# Allegro board MYD-Y6ULX_TEST_V10A.brd (continued)
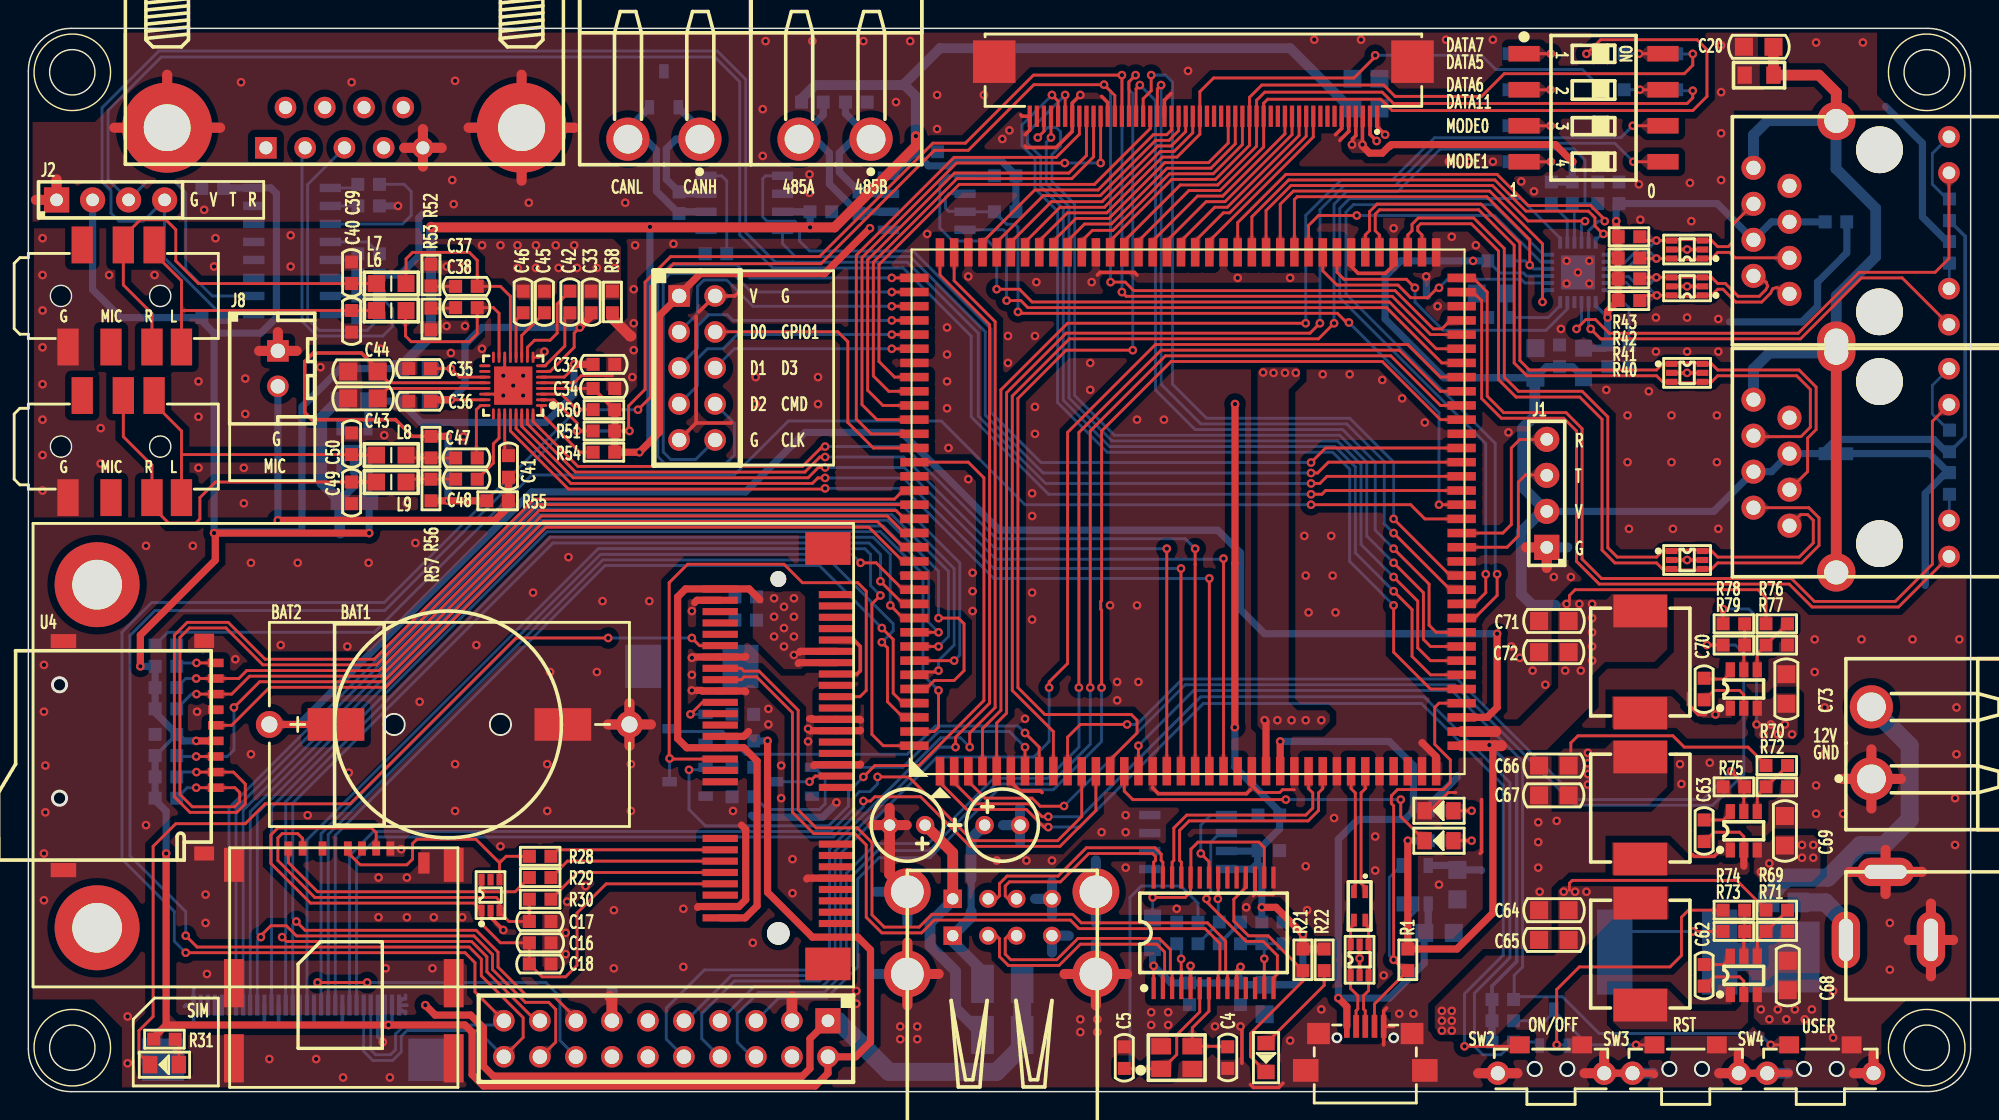
[diagram p0: board, top side]
## Footprints (pads in the part's own frame, mm; a bottom-side part is the same pattern mirrored in y, then rotated) (continued)
  rect 1.524x1.524 hole 1.016: 1(-1.25,0)
  round 1.524 hole 1.016: 2(1.25,0)

## Nets
AVDD1V8: C33.2 C36.2 L5.1 U15.7 U15.23
GND: BAT1.2 BAT2.2 C1.2 C2.2 C3.1 C4.1 C5.1 C6.1 C7.2 C8.2 C9.1 C10.2 C11.1 C12.1 C13.2 C14.1 C15.1 C16.2 C17.1 C18.1 C19.2 C20.1 C21.2 C22.1 C23.1 C24.1 C25.1 C26.1 C27.1 C28.1 C32.1 C34.1 C51.1 C52.1 C53.1 C54.1 C56.1 C58.1 C59.1 C60.1 C61.2 C64.1 C65.2 C66.1 C67.2 C68.1 C69.1 C71.1 C72.2 C73.1 CON1.5 CON1.8 CON1.9 CON1.10 CON1.11 CON1.12 CON1.13 CON1.14 D1.2(CATHODE) DC1.2 DC1.3 J1.1 J2.1 J10.5 J10.6 J10.31 J10.39 J10.44 J10.50 J10.51 J10.52 J11.4 J11.9 J11.13 J11.15 J11.18 J11.20 J11.30 J11.31 J11.32 J12.5 J12.10 J12.11 J13.2 J13.9 J14.3 J14.13 J15.1 Q1.2(S) Q2.2(S) Q3.2(S) R4.2 R6.2 R8.2 R9.2 R20.1 R25.1 R26.2 R33.2 R34.2 R35.2 R36.1 R39.1 R44.2 R47.1 R58.1 R62.1 R68.1 R71.2 R72.2 R75.1 R77.2 SW2.1 SW2.2 SW2.4 SW3.1 SW3.2 SW3.4 SW4.1 SW4.2 SW4.4 U1.6 U1.16 U1.23 U1.26 U1.29 U1.32 U1.35 U1.36 U1.50 U1.59 U1.68 U1.71 U1.74 U1.77 U1.86 U1.95 U1.104 U1.113 U1.121 U1.128 U2.2 U3.2 U3.5(NC) U4.6 U4.10 U4.11 U4.12 U4.13 U5.2 U5.4 U6.15 U6.17 U7.1 U7.2 U7.3 U7.4 U8.4 U8.9 U8.15 U8.18 U8.21 U8.26 U8.27 U8.29 U8.34 U8.35 U8.37 U8.40 U8.43 U8.50 U9.2(GND) U10.2 U10.5(NC) U11.2 U11.5(NC) U12.25 U13.2 U13.5(NC) U14.2 U14.5(NC) U15.5 U16.2 U17.15 U18.5 U19.2 U20.3 U21.1 U22.1 U23.1 USB1.5 USB1.6 USB1.7 USB1.8 USB1.9 USB2.4 USB2.8 USB2.9 USB2.10 USB2.11 USB2.12
GND_EARTH: C20.2 J5.8 J5.13 J5.14 J6.8 J6.13 J6.14 R39.2
VDD_3.8V_4G: C13.1 C14.2 C15.2 C66.2 C67.1 L11.2 R70.1 U8.2 U8.24 U8.39 U8.41 U8.52
VDD_3V3: C3.2 C6.2 C10.1 C11.2 C12.2 C19.1 C25.2 C26.2 C34.2 C51.2 C54.2 C59.2 C60.2 C61.1 C71.2 C72.1 J1.2 J2.2 J5.4 J5.5 J10.3 J10.4 J11.2 J11.3 J13.1 J14.2 L2.1 L3.1 L4.2(B) L12.2 R1.1 R11.1 R12.2 R13.2 R14.2 R15.2 R16.2 R17.2 R18.2 R19.2 R21.2 R22.2 R24.1 R27.2 R31.1 R32.1 R38.1 R45.2 R46.2 R48.1 R49.1 R50.2 R51.2 R54.1 R61.1 R63.1 R65.2 R66.2 R76.1 R80.2 U1.37 U1.38 U4.4(VCC) U6.1 U6.5 U6.10 U7.7(WP) U7.8 U12.9 U15.4 U16.1 U16.3 U17.16(VCC) U18.8(VCC) U19.3
VDD_3V3_PHY2: C21.1 C27.2 C28.2 J6.4 J6.5 L3.2(B) R40.2 R41.2 R42.2 R43.2 U12.1 U12.19
VDD_5V: C1.1 C53.2 C64.2 C65.1 C73.2 F1.1 F2.1 J10.1 J10.2 J11.1 J14.1 L10.2 R10.1 R23.1 R69.1 R78.1 U1.24 U2.5 U23.3(VIN)
VDD_12V: C68.2 C69.2 F3.2 R73.1 U21.3(VIN) U22.3(VIN)
VDD_12V_ADAPTER: D6.1 DC1.1
VDD_12V_IN: D6.2 J15.2
VDD_BAT: BAT1.1 BAT2.1 U1.39
4G_RST: Q1.1 R33.1 U1.120
4G_RSTIN: Q1.3 U8.22 U8.33
4G_USB_DM: U6.8 U8.36
4G_USB_DP: U6.9 U8.38
4G_WAKE_IN: Q2.1 R34.1 U1.7
4G_WAKE_OUT: Q3.3 R32.2 U1.8
232_RX: J12.3 R59.1
232_TX: J12.2 R60.1
AUD_1V8: C32.2 C52.2 L5.2(B) U15.6 U16.5(VOUT)
AUDIO_GND: C33.1 C35.1 C36.1 C39.1 C40.1 C43.1 C44.1 C45.1 C46.1 C49.1 C50.1 J7.1 J8.1 J9.1 R52.1 R53.1 R58.2 U15.9 U15.14 U15.22 U15.33
BOOT_MODE0: SW1.6 U1.4
BOOT_MODE1: SW1.5 U1.5
CAN1_RX: U1.57 U19.4
CAN1_TX: U1.58 U19.1
CAN_H: J17.1 R67.2 U19.7 U20.1
CAN_L: J17.2 R67.1 U19.6 U20.2
CSI_DATA0: J11.22 U1.136
CSI_DATA1: J11.24 U1.135
CSI_DATA2: J11.25 U1.134
CSI_DATA3: J11.23 U1.133
CSI_DATA4: J11.21 J14.18 U1.132
CSI_DATA5: J11.17 J14.17 U1.131
CSI_DATA6: J11.16 J14.15 U1.130
CSI_DATA7: J11.12 J14.16 U1.129
CSI_HSYNC: J11.11 U1.138
CSI_MCLK: J11.14 U1.140
CSI_PIXCLK: J11.19 U1.139
CSI_VSYNC: J11.10 U1.137
DN: L1.3 U3.1 U3.6 USB1.2
DP: L1.4 U3.3 U3.4 USB1.3
ENET2_CRS_DV: U1.80 U12.11
ENET2_RXD0: U1.79 U12.8
ENET2_RXD1: U1.82 U12.7
ENET2_RXER: R49.2 U1.81 U12.10
ENET2_TX_CLK: U1.78 U12.5
ENET2_TXD0: U1.85 U12.17
ENET2_TXD1: U1.84 U12.18
ENET2_TXEN: U1.83 U12.16
ENET_MDC: U1.47 U12.13
ENET_MDIO: U1.46 U12.12
ENET_RST: C24.2 R46.1 U1.9 U12.15
ETH1_LED1: J5.9 U1.69
ETH1_LED2: J5.11 U1.70
ETH1_RXN: J5.6 U1.75 U11.3 U11.4
ETH1_RXP: J5.3 U1.76 U11.1 U11.6
ETH1_TXN: J5.2 U1.72 U10.3 U10.4
ETH1_TXP: J5.1(TXP1) U1.73 U10.1 U10.6
ETH2_LED1: J6.11 U12.3
ETH2_LED2: J6.9 U12.2
ETH2_RXN: J6.6 R43.1 U12.20 U14.3 U14.4
ETH2_RXP: J6.3 R42.1 U12.21 U14.1 U14.6
ETH2_TXN: J6.2 R41.1 U12.22 U13.3 U13.4
ETH2_TXP: J6.1(TXP1) R40.1 U12.23 U13.1 U13.6
HOST1_USB_DM: U6.27 USB2.6
HOST1_USB_DP: U6.28 USB2.7
HOST2_USB_DM: U6.2 USB2.2
HOST2_USB_DP: U6.3 USB2.3
I2C2_SCL: J10.37 J11.6 J14.20 R51.1 U1.66 U15.2
I2C2_SDA: J10.38 J11.5 J14.19 R50.1 U1.67 U15.3
LCD_DATA0: J10.10 U1.87
LCD_DATA1: J10.11 U1.88
LCD_DATA2: J10.12 U1.89
LCD_DATA3: J10.13 U1.90
LCD_DATA4: J10.14 U1.91
LCD_DATA5: J10.17 R3.1 U1.92
LCD_DATA6: J10.18 R5.1 U1.93
LCD_DATA7: J10.19 R2.1 U1.94
LCD_DATA8: J10.20 U1.96
LCD_DATA9: J10.21 U1.97
LCD_DATA10: J10.22 U1.98
LCD_DATA11: J10.26 R7.1 U1.99
LCD_DATA12: J10.27 U1.100
LCD_DATA13: J10.28 U1.101
LCD_DATA14: J10.29 U1.102
LCD_DATA15: J10.30 U1.103
LCD_DE: J10.40 U1.117
LCD_DISP: J10.34 U1.49
LCD_GPIO: J10.36 U1.13
LCD_HSYNC: J10.42 U1.116
LCD_INT: J10.35 U1.45
LCD_PCLK: J10.43 U1.118
LCD_PWM: J10.32 U1.48
LCD_RESET: J10.33 U1.114
LCD_VSYNC: J10.41 U1.115
OC1#: R23.2 R26.1 U6.21
ONOFF: SW2.3 U1.1
PMIC_ON_REQ: R79.2 U1.3
POR_B: D3.2 R14.1 U1.2
POWER_EN: D3.1 R74.2
PWREN1: R27.1 U6.22 U7.5
RS485_A: J16.2 R64.1 R66.1 U18.6
RS485_B: J16.1 R62.2 R64.2 U18.7
SAI2_BCLK: U1.18 U15.29
SAI2_MCLK: U1.20 U15.28
SAI2_RXD: U1.17 U15.31
SAI2_SYNC: U1.21 U15.30
SAI2_TXD: U1.19 U15.32
SD1_CD: R81.2 U1.53
SD1_CLK: U1.127 U4.5
SD1_CMD: R17.1 U1.126 U4.3
SD1_DATA0: R18.1 U1.125 U4.7
SD1_DATA1: R19.1 U1.124 U4.8
SD1_DATA2: R15.1 U1.123 U4.1
SD1_DATA3: R16.1 U1.122 U4.2
SD2_CLK: J13.10 U1.108
SD2_D0: J13.3 U1.109
SD2_D1: J13.5 U1.110
SD2_D2: J13.7 U1.111
SD2_D3: J13.6 U1.112
SD_CMD: J13.8(9) U1.107
SIM_CLK: R29.1 U8.12
SIM_DATA: R30.1 U8.10
SIM_RST: R28.1 U8.14
SIM_VDD: C16.1 C18.2 CON1.1 U8.8 U9.1
SNVS_TAMPER0: R13.1 SW4.3 U1.15
SNVS_TAMPER1: D2.2(CATHODE) U1.14
SNVS_TAMPER3: J11.7 U1.12
SNVS_TAMPER4: J11.8 U1.11
SNVS_TAMPER5: R75.2 U1.10 U22.5
TEST/SCL: U6.14 U7.6
UART1_CTS: R65.1 U1.54 U18.2 U18.3
UART1_RXD: J1.4 U1.52
UART1_TXD: J1.3 U1.51
UART2_RXD: J2.4 R61.2 U1.56 U17.9
UART2_TXD: J2.3 U1.55 U17.10
UART3_CTS: J14.8 U1.63
UART3_RTS: J14.7 U1.62
UART3_RXD: J14.6 U1.61
UART3_TXD: J14.5 U1.60
UART4_RXD: R63.2 U1.65 U18.1
UART4_TXD: U1.64 U18.4
UART7_RXD: J14.9 U1.106
UART7_TXD: J14.10 U1.105
USB_OTG1_DN: L1.2 U1.30
USB_OTG1_DP: L1.1 U1.31
USB_OTG1_ID: R1.2 U1.40 U2.4 USB1.4
USB_OTG1_VBUS: C2.1 U1.25 U2.1 USB1.1(VBUS)
USB_OTG2_DN: U1.28 U6.25
USB_OTG2_DP: U1.27 U6.26
WAKE_IN: Q2.3 U8.19
WAKE_OUT: Q3.1 R35.1 U8.32
WLAN_GPIO1: J13.4 U1.119
WLAN_PWR: U1.22
X1: C5.2 U5.1 U6.6
X2: C4.2 U5.3(OUT2) U6.7(X2)
X+: J10.48(YU) U1.44
X-: J10.47 U1.43
Y+: J10.45 U1.42
Y-: J10.46 U1.41
N16889248: J5.10 R36.2
N16905474: C17.2 CON1.7 R30.2 U9.3
N16911499: CON1.2 R28.2 U9.4
N16911724: CON1.3 R29.2 U9.6
N16991409: D5.2(CATHODE) U8.42
N16991437: D5.1 R31.2
N16996138: J6.10 R47.2
N16997168: R44.1 U12.24
N16997308: C22.2 C23.2 U12.6
N17001960: R45.1 U12.14
N17005282: R4.1 SW1.1
N17005285: R6.1 SW1.2
N17005288: R8.1 SW1.3
N17005291: R9.1 SW1.4
N17005570: R5.2 R7.2 SW1.7
N17005584: R2.2 R3.2 SW1.8
N17013689: R54.2 U15.1
N17013709: C42.2 U15.8
N17013712: C42.1 U15.10
N17013780: C46.2 U15.12
N17013785: C45.2 U15.11
N17014325: C35.2 L4.1 U15.19
N17015654: C38.2 L6.1 U15.15
N17015657: C37.2 L7.1 U15.13
N17015712: C37.1 R52.2
N17015715: C38.1 R53.2
N17016369: C41.2 U15.27
N17016372: C43.2 U15.21(VMIDC)
N17016375: C44.2 R55.2 R56.2 R57.2 U15.20
N17016418: C41.1 J8.2 R55.1
N17021058: C40.2 J7.4 J7.5 L6.2(B)
N17021063: C39.2 J7.3 J7.6 L7.2(B)
N17107223: D6.3(CATHODE) F3.1
N17291493: C47.2 U15.24
N17291502: C48.2 U15.26
N17291511: C47.1 L8.1 R56.1
N17291514: C48.1 L9.1 R57.1
N17291739: C49.2 J9.3 J9.6 L9.2(B)
N17291742: C50.2 J9.4 J9.5 L8.2(B)
N17292936: L2.2(B) U6.16 U6.24
N17293006: R20.2 U6.4
N17293058: D4.2(CATHODE) R21.1 U6.18
N17293096: D4.1 R22.1
N17293122: C9.2 R24.2 R25.2 U6.13
N17295185: C7.1 F2.2 USB2.5(VCC_2)
N17295211: C8.1 F1.2 USB2.1
N17304613: D2.1 R11.2
N17311387: C55.2 U17.3
N17311391: C55.1 U17.1
N17311419: C58.2 U17.6
N17311458: C57.2 U17.5
N17311462: C57.1 U17.4
N17311731: R59.2 U17.8
N17311734: R60.2 U17.7
N17312700: R68.2 U19.8
N17320487: J6.12 R48.2
N17320588: J5.12 R38.2
N17325738: D3.3 R12.1 SW3.3
N17331390: C63.2 L11.1 U22.2
N17331420: C63.1 U22.6
N17331510: R70.2 R72.1 U22.4
N17331576: C62.2 L10.1 U21.2
N17331606: C62.1 U21.6
N17331692: R73.2 R74.1 U21.5
N17331696: R69.2 R71.1 U21.4
N17332902: C70.2 L12.1 U23.2
N17332932: C70.1 U23.6
N17333018: R78.2 R79.1 U23.5
N17333022: R76.2 R77.1 U23.4
N17334842: D1.1 R10.2
N17336326: R80.1 R81.1 U4.9
N173113758: C56.2 U17.2

Pads without a net: CON1 4 6; J5 7; J6 7; J7 2 7; J9 2 7; J10 7 8 9 15 16 23 24 25 49; J11 26 27 28 29; J12 1 4 6 7 8 9; J14 4 11 12 14; U1 33 34; U2 3; U6 11 12 19 20 23; U8 1 3 5 6 7 11 13 16 17 20 23 25 28 30 31 44 45 46 47 48 49 51; U9 5; U12 4; U15 16 17 18 25; U16 4; U17 11 12 13 14; U19 5

## Via types
v1: diameter 0.61, hole 0.305, TOP to BOTTOM, 583 vias

## Routing (per net, layer and track width the routed paths; a pad name or vN(x,y) marks a point on that pad's centre or on a via; arc(x,y) is an arc through that point)
AVDD1V8: length 24.2
  TOP w0.203: U15.7 36.6,50.8 36.61,50.81 36.81,50.81 38.5,52.5 38.5,53.5 v1(38.9,53.9) ; U15.23 v1(29.8,48.8)
  TOP w0.508: v1(38.9,53.9) 39.7,54.7 C33.2 ; C36.2 28.46,48.8 v1(29.8,48.8)
  BOTTOM w0.508: v1(38.9,53.9) 32,53.9 30.8,52.7 30.8,49.8 v1(29.8,48.8) 28.44,48.8 L5.1
GND: length 444
  TOP w0.203: 100.7,21.1 100.16,21.1 98.87,19.81 D1.2 ; 86.4,13.8 86.53,13.93 86.53,14.18 ; U15.5 38.5,50 39,50.5 41.2,50.5 ; 89.3,21.3 88.47,21.3 88.27,21.1 86.8,21.1
  TOP w0.254: U8.37 58.46,29.46 58.68,29.68 58.68,31.4 58.22,31.86 U8.43 ; USB1.5 95.6,3.3 ; USB1.5 96.3,4.6 ; USB1.5 95.6,5.7 95.8,5.9 ; 118.3,26.6 117.8,26.6 117.1,27.3 117.1,28.1 ; 88.5,0.6 88.2,0.3 86.4,0.3 86.2,0.5 ; J10.5 93.13,67.73 92.5,67.1 ; U3.5 v1(93.9,9.4) U3.2 ; 80.6,70.4 80.13,69.93 J10.31 ; 87.8,13.9 86.8,13.9 86.53,14.18 U6.17 ; U1.6 69.3,21.85 69.95,21.2 71.4,21.2 71.5,21.1 ; 119.2,16.9 118.9,16.6 117.5,16.6 117.4,16.7 117.3,16.7 ; 75.7,70.2 76.13,69.77 J10.39 ; 75.4,57.6 75.59,57.79 78.01,57.79 78.2,57.6 ; U11.2 v1(117,50.7) U11.5 ; J10.6 92.63,67.93 92.2,67.5 ; U14.2 v1(117,59.4) U14.5 ; U1.23 86.3,21.6 86.8,21.1 ; U1.77 93.3,58.22 93.8,57.72 95.72,57.72 96.3,58.3 U1.74 ; v1(74.2,70.3) 73.63,69.73 J10.44 73.63,67.73 72.5,66.6 70.4,66.6 70.3,66.7 ; U9.2 32.6,12.3 v1(33.5,11.4) 33.4,11.4 ; 50,56.3 49.83,56.12 J13.2 48.42,56.12 47.3,55 ; 70.3,67.5 70.63,67.83 J10.50 70.1,68.8 70,68.9 ; 85.6,2 85.6,4.5 v1(85.5,4.6) ; 47.1,54.7 47.1,47.16 ; 47.1,47.16 J13.9 ; 47.1,47.16 49.56,47.16 49.6,47.2 ; U13.5 v1(117,56.8) U13.2 ; U10.5 v1(117,37.5) U10.2 ; 79.3,21.5 79.3,21.42 79.7,21.02 85.92,21.02 86.2,21.3 ; 102.5,20.6 102.5,16.9 102.4,16.8
  TOP w0.508: 47.2,13 47.26,13.06 U8.4 50.12,13.06 50.6,13.54 50.6,18.5 50.3,18.8 ; v1(46.8,30.6) 46.86,30.66 U8.40 50.56,30.66 50.6,30.7 ; 54.9,15 54.96,15.06 U8.9 ; 47,34.5 47.16,34.66 U8.50 ; v1(55,25.6) 55.14,25.46 U8.27 58.66,25.46 58.7,25.5 ; 55.4,23 55.46,23.06 U8.21 58.66,23.06 58.7,23.1 ; 114.7,1.2 114.6,1.3 SW3.4 SW2.1 ; 98.3,24.6 98.33,24.6 99.3,23.63 U1.36 ; 47.17,28.3 47.49,28.3 47.53,28.26 U8.34 50.54,28.26 50.6,28.2 ; 58.7,26.2 58.64,26.26 U8.29 55.31,26.26 55.27,26.3 55.1,26.3 ; U8.26 50.46,25.06 50.8,25.4 ; 124.2,1.3 SW4.4 SW3.1
  TOP w0.711: J12.11 9.79,71.73 ; J12.11 13.53,67.99 ; J12.11 6.06,67.99 ; 1.99,64.35 J2.1 0.54,62.9 ; 59.54,18.8 C7.2 ; C7.2 61.96,18.8 ; C7.2 60.75,20.01 ; J12.10 38.53,67.99 ; J12.10 34.79,71.73 ; J12.10 31.06,67.99 ; J12.10 34.79,64.26 ; 27.83,65.25 J12.5 ; J12.5 26.51,66.57 ; J12.5 27.83,67.89 ; J12.5 29.15,66.57 ; 105.03,1.3 SW2.4 102.27,1.3 ; BAT2.2 43.91,25.9 ; BAT2.2 40.89,25.9 ; BAT2.2 42.4,24.39 ; BAT2.2 42.4,27.41 ; 107.1,36.94 J1.1 105.65,38.39 ; 111.15,2.68 SW2.1 109.77,1.3 ; 127.92,22.06 J15.1 ; J15.1 132.08,22.06 ; J15.1 130,19.98 ; J15.1 130,24.14 ; 120.65,2.68 SW3.1 119.27,1.3 ; 132.64,10.7 DC1.2 ; DC1.2 134.2,8.14 ; DC1.2 135.76,10.7 ; DC1.2 134.2,13.26 ; USB2.11 64.21,8.3 ; USB2.11 62,10.51 ; USB2.11 62,6.09 ; 130.15,2.68 SW4.1 128.77,1.3 ; 131,13.94 DC1.3 ; DC1.3 128.44,15.5 ; DC1.3 131,17.06 ; DC1.3 133.56,15.5 ; USB2.10 77.51,8.3 ; USB2.10 73.09,8.3 ; USB2.10 75.3,6.09
  TOP w0.762: 42.5,53.3 42.45,53.3 41.2,54.55 R58.1 ; J14.13 41.16,6.54 41,6.7 ; C7.2 60.75,15.35 USB2.12 ; 53.9,6.7 53.86,6.66 J14.3
  BOTTOM w0.254: 17.7,4.7 17.65,4.75 J11.18 ; 11,6 11.1,6.1 J11.30 ; J11.30 11.65,7.25 11.7,7.3 ; J11.30 11.65,4.95 11.7,4.9 ; U2.2 97.79,12.69 97.1,12 ; J11.4 24.65,3.85 v1(25,3.5) ; 19.1,4.6 19.15,4.65 J11.15 ; J11.20 16.65,4.75 16.6,4.7 ; J11.9 22.15,4.75 22.1,4.7 ; R25.1 85.5,11.94 R26.2 ; 20.2,4.7 20.15,4.75 J11.13
  BOTTOM w0.508: C19.2 134.1,45 135.43,43.66 ; 133.8,35.7 133.8,42.2 135.26,43.66 135.43,43.66 ; U16.2 23,42.72 C51.1 ; 98.7,56.1 98.61,56.19 98.61,57.49 v1(98.6,57.5) ; 27.8,61.9 27.55,61.65 27.55,58.95 26.2,57.6 C58.1 ; 135.43,43.66 R36.1 ; C56.1 v1(26.07,62.48) ; 51,19.5 51.15,19.35 56.03,19.35 57,20.33 v1(57,20.4) ; 131,69.5 133.6,66.9 133.6,61.7 135.34,59.96 R47.1 ; C21.2 128.26,59.16 126.2,57.1 126.2,55.4 125.1,54.3 120,54.3 ; SW4.4 SW3.1 ; SW3.4 SW2.1
  BOTTOM w0.711: 133.56,15.5 DC1.3 131,13.94 ; USB2.11 62,10.51 ; USB2.11 59.79,8.3 ; USB2.11 64.21,8.3 ; USB2.11 62,6.09 ; 75.3,6.09 USB2.10 ; USB2.10 75.3,10.51 ; USB2.10 73.09,8.3 ; DC1.2 134.2,13.26 ; DC1.2 132.64,10.7 ; DC1.2 134.2,8.14 ; DC1.2 135.76,10.7 ; 127.92,22.06 J15.1 ; J15.1 130,24.14 ; J15.1 130,19.98 ; 59.79,14.1 USB2.12 62,11.89 ; C8.2 69.95,20.01 ; C8.2 69.95,17.59 ; C8.2 68.74,18.8 ; 71.01,13.6 USB2.8 ; USB2.8 72.2,14.79 ; USB2.8 72.2,12.41 ; 102.27,1.3 SW2.4 105.03,1.3 ; J12.5 29.15,66.57 ; J12.5 27.83,67.89 ; J12.5 27.83,65.25 ; J12.5 26.51,66.57 ; 1.99,64.35 J2.1 0.54,62.9 ; J12.10 34.79,71.73 ; J12.10 34.79,64.26 ; J12.10 38.53,67.99 ; J12.10 31.06,67.99 ; 107.1,36.94 J1.1 108.55,38.39 ; 75.3,11.89 USB2.9 75.3,16.31 ; BAT2.2 42.4,27.41 ; BAT2.2 42.4,24.39 ; BAT2.2 40.89,25.9 ; 120.65,2.68 SW3.1 119.27,1.3 ; 73.39,11 USB2.4 72.2,9.81 ; 128.77,1.3 SW4.1 130.15,2.68 ; 9.79,71.73 J12.11 13.53,67.99
  BOTTOM w0.762: SW4.4 124.1,1.3 ; C52.1 21.8,48.7 20.7,47.6 20.7,42.93 C51.1 21.96,39.44 22,39.4 ; J14.13 41.16,7.06 41.2,7.1 ; SW3.4 114.6,1.3
  vias: v1(1.1,30.1) v1(1.1,26.8) v1(1.1,16.8) v1(1.1,13.5) v1(1.2,23) v1(1.2,19.7) v1(7,5.3) v1(7,2) v1(8.3,38.5) v1(8.3,18.8) v1(11.6,38.5) v1(11.9,26.8) v1(12.4,62.2) v1(12.5,13.9) v1(12.5,11.9) v1(12.6,8.3) v1(14.6,30.5) v1(15,71.2) v1(15.7,37.3) v1(15.7,23.8) v1(17,2.3) v1(17.8,31.5) v1(19,37.3) v1(19.7,19.5) v1(20.3,2.3) v1(22.2,1) v1(22.5,31.4) v1(22.6,22.5) v1(22.8,71.2) v1(24,37.3) v1(24.7,15.1) v1(24.7,12.3) v1(25.2,8.7) v1(25.5,1) v1(26.3,17.1) v1(26.7,15.1) v1(26.7,12.3) v1(27.3,38.7) v1(27.6,27.5) v1(28.5,8.7) v1(28.6,12.3) v1(29.9,64.3) v1(30,62.6) v1(30.1,71.3) v1(30.1,23.1) v1(30.1,19.8) v1(30.6,12.3) v1(31.6,31.5) v1(33.3,17.3) v1(35.3,62.7) v1(35.6,35.2) v1(36.6,23.1) v1(36.6,19.8) v1(36.8,29.6) v1(37.9,11.2) v1(37.9,9.7) v1(38,13.4) v1(38.1,37.7) v1(39.3,14.5) v1(40.1,29.6) v1(40.5,34.6) v1(41.3,12.8) v1(41.3,8.7) v1(42.1,62.7) v1(42.5,23.1) v1(42.5,19.8) v1(42.6,50.4) v1(42.7,56.6) v1(42.7,54.2) v1(42.7,52.3) v1(42.8,59.7) v1(43.8,34.6) v1(45.5,59.8) v1(46.2,12.9) v1(46.2,8.8) v1(46.8,33.9) v1(46.8,29.4) v1(46.8,28.3) v1(49.7,19.8) v1(51.1,10.5) v1(51.3,50.4) v1(51.3,48.5) v1(51.8,69.3) v1(51.8,66) v1(52,74.1) v1(52.2,27) v1(52.2,25.9) v1(53.1,23) v1(53.1,20.7) v1(53.9,16.4) v1(53.9,14) v1(55,24.7) v1(55.1,64.7) v1(55.1,63.4) v1(55.3,74.1) v1(55.7,50.4) v1(55.7,48.5) v1(58.4,7.1) v1(58.4,6.2) v1(58.9,74.1) v1(61.2,69.8) v1(61.5,4.6) v1(61.5,3.7) v1(62.2,74.1) v1(62.7,4.6) v1(62.7,3.7) v1(63.4,60.5) v1(64.1,70.3) v1(64.1,67.9) v1(64.8,53.9) v1(64.8,52) v1(64.8,50.1) v1(64.8,48.2) v1(64.9,45.4) v1(66.3,57.5) v1(66.3,43.2) v1(66.6,36.6) v1(66.6,35.3) v1(66.6,33.9) v1(67.4,70.3) v1(68.3,16.3) v1(68.7,67.2) v1(69.1,53.3) v1(69.1,51.4) v1(69.2,67.8) v1(70.3,26.3) v1(70.4,16.3) v1(70.8,42.2) v1(70.8,40.6) v1(70.8,35.2) v1(70.8,33.3) v1(71,53.3) v1(71,48.3) v1(71,46.4) v1(71.1,57.1) v1(72.2,16.3) v1(74.2,5.1) v1(74.2,4.2) v1(74.9,51.4) v1(74.9,49.5) v1(75,57.1) v1(75.4,5.1) v1(75.4,4.2) v1(75.7,18.3) v1(76.3,34.3) v1(76.8,28.9) v1(76.8,27.6) v1(77.4,19.5) v1(77.4,18.3) v1(77.4,15.8) v1(78.2,47.4) v1(78.2,34.3) v1(78.3,28.9) v1(79.2,5.6) v1(79.2,4.7) v1(80.1,47.4) v1(80.4,5.6) v1(80.4,4.7) v1(81,12.9) v1(81.8,72) v1(83.7,4.6) v1(85.3,57.4) v1(85.9,13) v1(89,57.4) v1(89,3.6) v1(90,39.2) v1(90.1,36.4) v1(90.1,15.9) v1(90.2,12.8) v1(90.3,33.8) v1(90.7,74.2) v1(91.2,5.8) v1(91.3,50.6) v1(91.9,39.2) v1(92,36.4) v1(92.1,19.3) v1(92.2,33.8) v1(93.2,50.6) v1(94,74.2) v1(95,18) v1(95,15.6) v1(95.5,50.2) v1(95.6,8.2) v1(96.3,60.9) v1(96.7,5.5) v1(96.9,48.9) v1(97.7,5.5) v1(98.5,47.2) v1(99.4,55.4) v1(99.5,14.6) v1(100,74.2) v1(100.2,65.6) v1(100.4,60.3) v1(101.7,65.6) v1(102.1,59.7) v1(103.3,74.2) v1(103.3,65.6) v1(104.4,46.5) v1(104.6,31.4) v1(105.2,30.6) v1(105.3,64.2) v1(106.1,29.7) v1(106.2,63.5) v1(106.5,19) v1(106.5,17.6) v1(106.5,15.8) v1(106.6,14.1) v1(107,28.7) v1(107.6,36.3) v1(107.8,19.1) v1(108.1,53.8) v1(108.5,58.6) v1(108.5,57) v1(108.8,36.3) v1(109.3,57.78) v1(110.1,58.6) v1(110.1,57) v1(111.3,49.5) v1(112.8,47.7) v1(112.8,44.4) v1(112.9,39.7) v1(113.6,64) v1(113.7,61.5) v1(114.3,49.4) v1(114.8,54.6) v1(114.8,52.2) v1(115.9,47.7) v1(115.9,44.4) v1(116,39.7) v1(116.5,23.1) v1(116.6,21.7) v1(117,54.6) v1(117,52.2) v1(117.2,64.1) v1(117.3,61.4) v1(118.6,23.2) v1(119,26.6) v1(119.1,47.7) v1(119.1,44.4) v1(119.2,54.5) v1(119.2,52.2) v1(119.2,39.7) v1(119.4,73.8) v1(119.4,70.5) v1(119.4,67.6) v1(119.4,64.3) v1(126,31.9) v1(126,29.6) v1(126.1,74) v1(126.1,21.6) v1(126.1,19.6) v1(126.7,27.1) v1(126.7,23.8) v1(127.3,7.1) v1(127.3,3.8) v1(128,19.6) v1(129.3,31.9) v1(129.4,74) v1(131.3,11.9) v1(131.3,8.6) v1(132.9,31.9) v1(135.9,20.7) v1(135.9,17.4) v1(136,27.1) v1(136,23.8) v1(136.2,31.9)
GND_EARTH: length 60.5
  TOP w0.762: J5.13 J5.14 J6.13 ; J6.14 127.52,70.48 126.3,71.7 R39.2 C20.2
  BOTTOM w0.762: J5.8 121.68,50.98 122.8,52.1 126.64,52.1 J6.13 127.52,56.12 130.3,58.9 130.3,62.3 127.5,65.1 127.5,68.45 J6.14 127.49,68.5 122.7,68.5 121.68,67.48 J6.8
VDD_3.8V_4G: length 56.6
  TOP w0.203: R70.1 122.56,23.04 121.3,24.3 116.8,24.3 116,25.1 109.3,25.1 108.8,24.6 108.8,24
  TOP w0.508: 54.3,30.2 54.36,30.26 U8.39 ; 51.6,34.7 50.84,35.46 U8.52 46.36,35.46 45.8,34.9 45.8,24.9 46.44,24.26 U8.24 50.47,24.26 51.4,23.33 51.4,13.1 50.56,12.26 U8.2 ; 54.4,31 54.46,31.06 U8.41
  vias: v1(52.6,34.8) v1(52.6,33.5) v1(52.6,32.1) v1(53.3,34.2) v1(53.3,32.7) v1(53.3,31.4) v1(54,34.8) v1(54,33.5) v1(54,32.1) v1(54,30.8) v1(110,23.9) v1(110,23.16) v1(110,22.4) v1(110,21.66)
VDD_3V3: length 654.3
  TOP w0.203: R76.1 122.56,34.84 121.99,35.41 109.11,35.41 108.7,35 108.7,34.6 ; U15.4 C34.2 ; U6.1 v1(79.38,8.88)
  TOP w0.254: v1(85.5,8.8) 85.22,8.53 U6.10 ; J10.3 94.1,68.77 v1(94.1,66.8) ; U6.5 v1(81.97,8.88) ; 103.4,24.4 103.35,24.45 v1(103.05,24.45) ; R50.2 41.34,48.1 C34.2 ; J10.4 93.63,67.43 93.4,67.2 93.4,66.84 v1(93.36,66.8)
  TOP w0.508: U4.4 v1(11.84,24.74) ; v1(7.9,30) 7.9,32.2 13.19,37.49 13.19,39.31 v1(13.1,39.4) v1(24.04,39.4) ; v1(97.3,17.7) R1.1 100.76,10.06 103.3,12.6 103.3,24.2 v1(103.05,24.45) ; v1(52.14,24.74) 52.14,14.06 55.3,10.9 58.5,10.9 59.4,10 59.4,3.5 58.36,2.46 J14.2 56.4,1.3 55.5,0.4 32.1,0.4 31.3,1.2 31.3,4.19 30.79,4.7 v1(25.4,4.7) 9.72,4.7 ; v1(108.9,65.6) 107.7,66.8 96.15,66.8 96.04,66.69 95.99,66.69 95.5,66.2 94.6,66.2 94.1,66.7 v1(94.1,66.8) ; 9.72,4.7 8.84,3.82 R31.1 ; 9.72,4.7 v1(9.72,16.8) ; v1(59.36,60.9) 56.16,57.7 47.4,57.7 45.9,56.2 J13.1 44.51,54.74 44.51,46.51 v1(43.1,45.1) R54.1 R51.2 R50.2 ; 43.8,60.96 43.84,61 v1(43.84,61) ; v1(85.1,25.7) 85.1,37.25 85.11,37.26 v1(85.11,48.5) ; R22.2 R21.2 v1(89.9,11.1) 88,13 v1(87,13)
  TOP w0.7: v1(28.4,61) 28.44,60.96 v1(55.14,60.96) 56.86,60.96 62.6,66.7 v1(62.6,67.4)
  TOP w0.762: 103.9,24.4 U1.37 ; 103.5,25.4 U1.38
  BOTTOM w0.203: U16.1 23.95,45.25 23.7,45.5 22.3,45.5 22.05,45.25 U16.3 ; R49.1 103.79,57.75 105.45,57.75 105.67,57.53 U12.9
  BOTTOM w0.254: R13.2 103.24,7.44 104.98,9.18 104.98,22.52 v1(103.05,24.45) ; v1(85.5,8.8) C11.2 ; J11.3 25.15,4.95 v1(25.4,4.7) 25.65,4.95 J11.2 ; v1(81.97,8.88) 81.97,7.74 C12.2 ; R38.1 135.54,45.14 136.61,46.21 136.61,60.32 R48.1 ; C3.2 8.96,23.7 R17.2
  BOTTOM w0.508: v1(89.9,11.1) 89.9,8.2 89.24,7.54 C10.1 85.62,7.54 C11.2 C12.2 80.59,7.66 v1(79.38,8.88) 79.3,8.95 L2.1 ; C59.2 13.81,63.74 U17.16 17.1,63.74 17.5,63.34 17.5,54.6 16.4,53.5 13.1,53.5 ; C60.2 62.61,66.19 63.5,65.3 64.9,65.3 65.3,65.7 68.58,65.7 69.66,64.62 R63.1 R65.2 ; C60.2 62.6,66.31 v1(62.6,67.4) ; C60.2 60.91,64.6 U18.8 ; U7.7 86.71,16.97 ; 86.71,16.97 86.7,16.96 86.7,16.1 ; 86.71,16.97 C6.2 86.74,17.02 88.26,18.54 R27.2 88.26,19.74 85.1,22.9 v1(85.1,25.7) ; 13.2,39.5 v1(13.1,39.4) ; 13.2,39.5 13.1,39.6 13.1,53.5 ; 13.2,39.5 13.21,39.49 19.3,39.49 19.3,48.3 22,51 L4.2 ; v1(108.9,65.6) R46.2 R45.2 ; C54.2 93.24,69.36 ; L3.1 108.92,51.14 C26.2 107.08,51.14 C25.2 ; U7.8 86.3,15.7 86.7,16.1 ; 86.7,16.1 87,15.8 v1(87,13) R24.1 ; 106.26,50.36 99.84,50.36 95.7,54.5 95.7,57.5 96.8,58.6 v1(101.9,58.6) R49.1 ; U16.1 23.95,41.77 C51.2 v1(24.04,39.4) ; J1.2 118.88,40.93 J5.4 122.95,43.73 J5.5 C19.1 126.74,45.24 127.5,46 134.4,46 135.26,45.14 R38.1 ; R13.2 R12.2 R14.2 ; v1(7.9,30) R80.2 R19.2 R18.2 8.94,26.74 10.46,25.22 C3.2 10.92,24.74 v1(11.84,24.74) ; 13.1,53.5 12.24,54.36 R61.1 6.5,54.6 4.53,56.57 J2.2 ; v1(43.1,45.1) 43.84,45.84 v1(43.84,61) ; U19.3 C61.1 v1(55.14,60.96) ; R17.2 R16.2 R15.2 8.94,20.56 9.72,19.78 v1(9.72,16.8) ; R32.1 v1(52.14,24.74) ; v1(97.3,17.7) R11.1
  BOTTOM w0.7: 61.8,71 62.6,70.2 v1(62.6,67.4) ; 61.8,71 55.5,71 54.54,70.04 R66.2 ; 61.8,71 61.8,71.1 64.3,73.6 89,73.6 93.24,69.36 ; v1(28.4,61) 28.4,53.3 26.5,51.4 26.5,51.24 L4.2
  BOTTOM w0.762: C25.2 106.26,50.36 106.26,47.66 105.4,46.8 105.4,42.63 J1.2 106.73,40.93 105.3,39.5 105.3,35.1 106.09,34.31 107.69,34.31
  vias: v1(108.4,29.7) v1(108.5,34.4) v1(109.4,34.4) v1(109.5,29.7) v1(110.3,34.4) v1(110.3,33.4) v1(110.3,32.4) v1(110.3,31.4) v1(110.3,30.4)
VDD_3V3_PHY2: length 32.5
  TOP w0.508: v1(111.4,54.6) 111.4,55.06 R40.2 R41.2 R42.2 R43.2 112,60.44 v1(112,61.4)
  BOTTOM w0.254: U12.1 110.55,55.45 v1(111.4,54.6) ; U12.19 111.64,59.03 112,59.4
  BOTTOM w0.508: C21.1 J6.5 122.95,61.35 J6.4 119.13,62.64 C28.2 112,62.44 v1(112,61.4) 112,59.4 ; v1(111.4,54.6) C27.2 111.18,52.44 L3.2
VDD_5V: length 117.2
  TOP w0.203: 108.7,14.2 108.7,14.7 108.9,14.9 120.5,14.9 122.56,12.84 R69.1 ; R78.1 v1(119.54,34.04)
  TOP w0.254: J10.2 94.64,68.8 94.64,67.52 v1(95.1,67.05) ; v1(95.7,67.5) 95.13,68.07 J10.1
  TOP w0.508: v1(87.2,26.2) 87.3,26.1 U1.24 ; J14.1 55.13,3.73 55.13,1.63 54.6,1.1 32.8,1.1 32.1,1.8 32.1,4.5 31.2,5.4 28.7,5.4 v1(28,6.1)
  BOTTOM w0.203: R23.1 82.5,13.3 81.3,14.5 78.5,14.5 77.7,13.7 77.7,2.1 ; v1(121.9,25.9) 121.9,33.5 121.36,34.04 v1(119.54,34.04)
  BOTTOM w0.254: 26.6,6.8 26.6,6.55 26.4,6.55 26.15,6.3 J11.1 ; 26.6,5.5 26.6,5.65 26.4,5.65 26.15,5.9 J11.1 ; J11.1 26.7,6.1
  BOTTOM w0.508: 100.8,22.3 100.8,22.2 98.74,20.14 R10.1 ; U2.5 100.49,15.95 C1.1 102.46,15.64 102.5,15.6
  BOTTOM w1.27: J14.1 57.1,5 60.7,1.4 68.3,1.4 70.1,3.2 F2.1 F1.1
  vias: v1(87.1,50.73) v1(87.83,50.7) v1(88.1,26.2) v1(88.64,50.7) v1(89.1,26.2) v1(89.4,50.7) v1(90.1,26.2) v1(91.2,26.2) v1(99.7,5.7) v1(99.7,5) v1(99.7,4.3) v1(100.4,5.7) v1(100.4,5) v1(100.4,4.3) v1(108.3,14.1) v1(109.1,14.1) v1(109.9,14.1) v1(122.4,25.2) v1(122.9,25.9) v1(123.4,25.2) v1(123.9,25.9) v1(124.4,25.2)
VDD_12V: length 8.7
  TOP w0.203: R73.1 v1(117.4,11.3)
  BOTTOM w0.203: v1(117.4,11.3) 112.6,11.3 111.9,10.6 F3.2
  vias: v1(122.2,15.5) v1(122.2,5.8) v1(122.8,16.1) v1(122.8,5.1) v1(123.4,5.8) v1(124,5.1) v1(124.6,5.8) v1(125.1,17.4) v1(125.1,16.5) v1(125.3,5.1) v1(125.8,5.8) v1(125.9,17.4) v1(125.9,16.5)
VDD_12V_ADAPTER: length 5.2
  BOTTOM w1.27: D6.1 126.75,13.35 128.2,11.9 DC1.1
VDD_12V_IN: length 21.7
  BOTTOM w1.27: J15.2 130,27.1 132.7,24.4 132.7,19.2 130.89,17.39 129.22,17.39 126.93,15.1 124.03,15.1 123.81,14.88 123.75,14.88 123.27,14.39 123.27,14.34 122.76,13.83 D6.2
VDD_BAT: length 116
  TOP w0.508: BAT1.1 BAT2.1 ; v1(103.6,32.3) 103.6,27.1 102.9,26.4 U1.39
  BOTTOM w0.508: BAT2.1 19.1,25.9 35.5,42.3 50.58,42.3 54.78,46.5 61.6,46.5 68.5,39.6 83.9,39.6 85.5,38 85.5,34 87.2,32.3 v1(103.6,32.3)
4G_RST: length 52.5
  TOP w0.203: v1(58.9,22.2) 59.7,23 62.81,23 67.4,27.59 67.4,43.3 66.3,44.4 U1.120
  BOTTOM w0.203: R33.1 Q1.1 47.67,22.87 47.5,22.7 v1(46.6,22.7) 46.6,19.9 47.75,18.75 56.45,18.75 57.85,20.15 57.85,21.15 v1(58.9,22.2)
4G_RSTIN: length 42.1
  TOP w0.203: U8.22 45.27,23.46 v1(45.23,23.5) 45.2,23.53 45.2,35.9 46.5,37.2 53.3,37.2 54.6,35.9 58.5,35.9 59.1,35.3 59.1,28.3 58.66,27.86 U8.33
  BOTTOM w0.203: v1(45.23,23.5) Q1.3
4G_USB_DM: length 54.2
  TOP w0.203: U6.8 83.92,8.38 84.05,8.51 84.05,10.45 83,11.5 74.1,11.5 73.5,12.1 63.9,12.1 63,11.2 60.2,11.2 59.1,12.3 59.1,17.4 58.3,18.2 55.4,18.2 53.89,19.71 53.89,26.73 51.37,29.26 50.48,29.26 50.28,29.06 U8.36
4G_USB_DP: length 54.8
  TOP w0.203: U8.38 50.28,29.86 50.48,29.66 51.54,29.66 54.3,26.9 54.3,19.87 55.57,18.61 58.47,18.61 59.51,17.57 59.51,12.47 60.37,11.61 62.83,11.61 63.73,12.51 73.67,12.51 74.27,11.91 83.17,11.91 84.45,10.62 84.45,8.51 84.58,8.38 84.58,7.3
4G_WAKE_IN: length 26.7
  TOP w0.203: v1(70.3,24.3) U1.7
  BOTTOM w0.203: R34.1 51.2,20.8 52.1,19.9 55.8,19.9 56.2,20.3 56.2,22.1 55.43,22.87 ; Q2.1 55.43,22.87 ; 55.43,22.87 61.67,22.87 64.2,25.4 69.2,25.4 v1(70.3,24.3)
4G_WAKE_OUT: length 30
  TOP w0.203: v1(70.3,25.3) 71.3,24.3 U1.8
  BOTTOM w0.203: Q3.3 45.43,25.4 48.98,25.4 R32.2 50.58,23.8 62,23.8 63.99,25.79 69.81,25.79 v1(70.3,25.3)
232_RX: length 18.9
  BOTTOM w0.203: J12.3 19.7,63.98 19.7,54.5 20.5,53.7 23.9,53.7 24.76,54.56 R59.1
232_TX: length 22
  BOTTOM w0.203: J12.2 19.31,66.36 19.31,54.34 20.34,53.3 25,53.3 25.7,54 25.7,55.2 24.77,56.12 R60.1
AUD_1V8: length 24.1
  TOP w0.203: U15.6 37.8,50.4 38.5,51.1 v1(38.5,51.3)
  TOP w0.508: C32.2 v1(38.5,51.3)
  BOTTOM w0.508: U16.5 23.95,48.61 C52.2 L5.2 26.26,48.64 27.7,47.2 36.5,47.2 38.5,49.2 v1(38.5,51.3)
AUDIO_GND: length 12.2
  TOP w0.203: v1(36.4,52.2) 36,51.8 U15.9 ; U15.14 33.6,51.13 33.5,51.03 v1(33.5,50.5) v1(34.2,49.8) v1(33.5,49.1) 32.97,49.1 32.87,49.2 U15.22
  TOP w0.711: 16.28,52.25 J8.1 ; J8.1 17.6,53.57 ; J8.1 18.92,52.25
  BOTTOM w0.711: 18.92,52.25 J8.1 16.28,52.25
  vias: v1(1,60.2) v1(1,57.6) v1(1,55.1) v1(1,52.5) v1(1,49.9) v1(1,47.4) v1(1,44.9) v1(1,42.4) v1(5.1,46.8) v1(5.1,44.3) v1(5.7,57.6) v1(8.9,57.6) v1(12,50.1) v1(12,47.6) v1(12,44) v1(13.1,58.2) v1(13.2,60.2) v1(15.2,44) v1(15.2,41.5) v1(15.3,50.3) v1(15.3,47.8) v1(18.5,60.4) v1(18.5,58.2) v1(20.6,51.1) v1(24.8,52.4) v1(25.1,46.3) v1(26.7,41.5) v1(29.5,58.2) v1(29.5,54) v1(29.8,52.1) v1(30.7,46.2) v1(30.8,58.2) v1(30.8,54) v1(32,59.7) v1(32,52.4) v1(33.3,59.7) v1(34.5,59.7) v1(34.5,58.1) v1(34.9,50.5) v1(34.9,49.1) v1(35.8,59.7) v1(35.8,58.1) v1(37.2,59.7) v1(37.4,58.1) v1(38.5,59.7) v1(38.7,58.1) v1(40.1,58.1) v1(41.4,58.1)
BOOT_MODE0: length 86.3
  TOP w0.203: U1.4 67.3,25.6 68.6,26.9 68.6,49.5 73.3,54.2 v1(90.1,54.2) ; SW1.6 v1(113.17,68.13)
  BOTTOM w0.203: v1(90.1,54.2) 90.1,61.8 92.6,64.3 96.2,64.3 99.19,67.29 112.33,67.29 v1(113.17,68.13)
BOOT_MODE1: length 85.8
  TOP w0.203: SW1.5 v1(113.21,65.59) ; U1.5 68.3,26 69,26.7 69,49.3 73.2,53.5 90.4,53.5 v1(91.1,54.2)
  BOTTOM w0.203: v1(113.21,65.59) 111.91,66.89 99.39,66.89 96.4,63.9 92.8,63.9 91.1,62.2 v1(91.1,54.2)
CAN1_RX: length 59.4
  TOP w0.203: v1(90.47,43.64) 90.94,43.64 91.7,44.4 U1.57
  BOTTOM w0.203: v1(90.47,43.64) 71.58,43.64 67.5,47.71 67.5,53.6 62.2,58.9 54.1,58.9 53.2,59.8 U19.4
CAN1_TX: length 65.2
  TOP w0.203: U1.58 91.5,45.4 v1(90.47,44.37)
  BOTTOM w0.203: U19.1 52,64.6 51.8,64.4 51.8,61.7 52.1,61.4 54.05,61.4 54.4,61.05 54.4,60 55.1,59.3 62.4,59.3 67.9,53.8 67.9,47.9 71.43,44.37 v1(90.47,44.37)
CAN_H: length 10.9
  BOTTOM w0.508: U19.7 46.03,63.33 R67.2 45,64.36 45,66.5 45.69,67.19 J17.1 47.37,67.91 U20.1
CAN_L: length 12.3
  BOTTOM w0.508: U20.2 42.29,67.91 J17.2 43.51,67.19 44.3,66.4 44.3,63.52 45.88,61.94 R67.1 46.02,62.06 U19.6
CSI_DATA0: length 84.8
  TOP w0.203: v1(64.2,33.4) 65.6,33.4 66,33 66,29.7 65.3,29 63.9,29 63.3,28.4 U1.136
  BOTTOM w0.203: J11.22 15.65,19.75 36.2,40.3 60.6,40.3 64.2,36.7 v1(64.2,33.4)
CSI_DATA1: length 84.5
  TOP w0.203: v1(64.2,29.7) 64.1,29.6 62.7,29.6 U1.135
  BOTTOM w0.203: v1(64.2,29.7) 64.2,30.4 65.3,31.5 65.3,36.9 61.1,41.1 35.78,41.1 14.65,19.97 J11.24
CSI_DATA2: length 86
  TOP w0.203: U1.134 v1(65.3,30.4)
  BOTTOM w0.203: J11.25 14.15,20.03 35.62,41.49 61.51,41.49 65.7,37.3 65.7,30.8 v1(65.3,30.4)
CSI_DATA3: length 81.1
  TOP w0.203: U1.133 v1(64.2,31.4)
  BOTTOM w0.203: J11.23 15.15,19.85 36,40.7 60.9,40.7 64.9,36.7 64.9,32.1 v1(64.2,31.4)
CSI_DATA4: length 105.2
  TOP w0.203: v1(16.4,10.9) 16.4,11 17.1,11.7 18.2,11.7 18.91,10.99 31.43,10.99 32.74,9.68 32.74,8.62 35.06,6.3 36.7,6.3 37.2,5.8 37.2,3.5 36.16,2.46 J14.18 ; U1.132 v1(64.2,32.4)
  BOTTOM w0.203: v1(64.2,32.4) 63.5,33.1 63.5,36.7 60.3,39.9 36.4,39.9 16.15,19.65 16.15,11.15 v1(16.4,10.9) 16.15,10.65 J11.21
